# Altium PCB PCB_usbHUB.PcbDoc
Units mm, origin at the board's own origin, x right, y up, seen from the top; angles counter-clockwise.
Board outline 61.12 x 81.58 mm, 4 copper layers (Top Layer, Int1 (GND), Int2 (PWR), Bottom Layer), stack 1.586 mm thick; 86 components, 65 nets, 296 pads, 594 vias.
Unrouted connection lines stored in the file: 1.
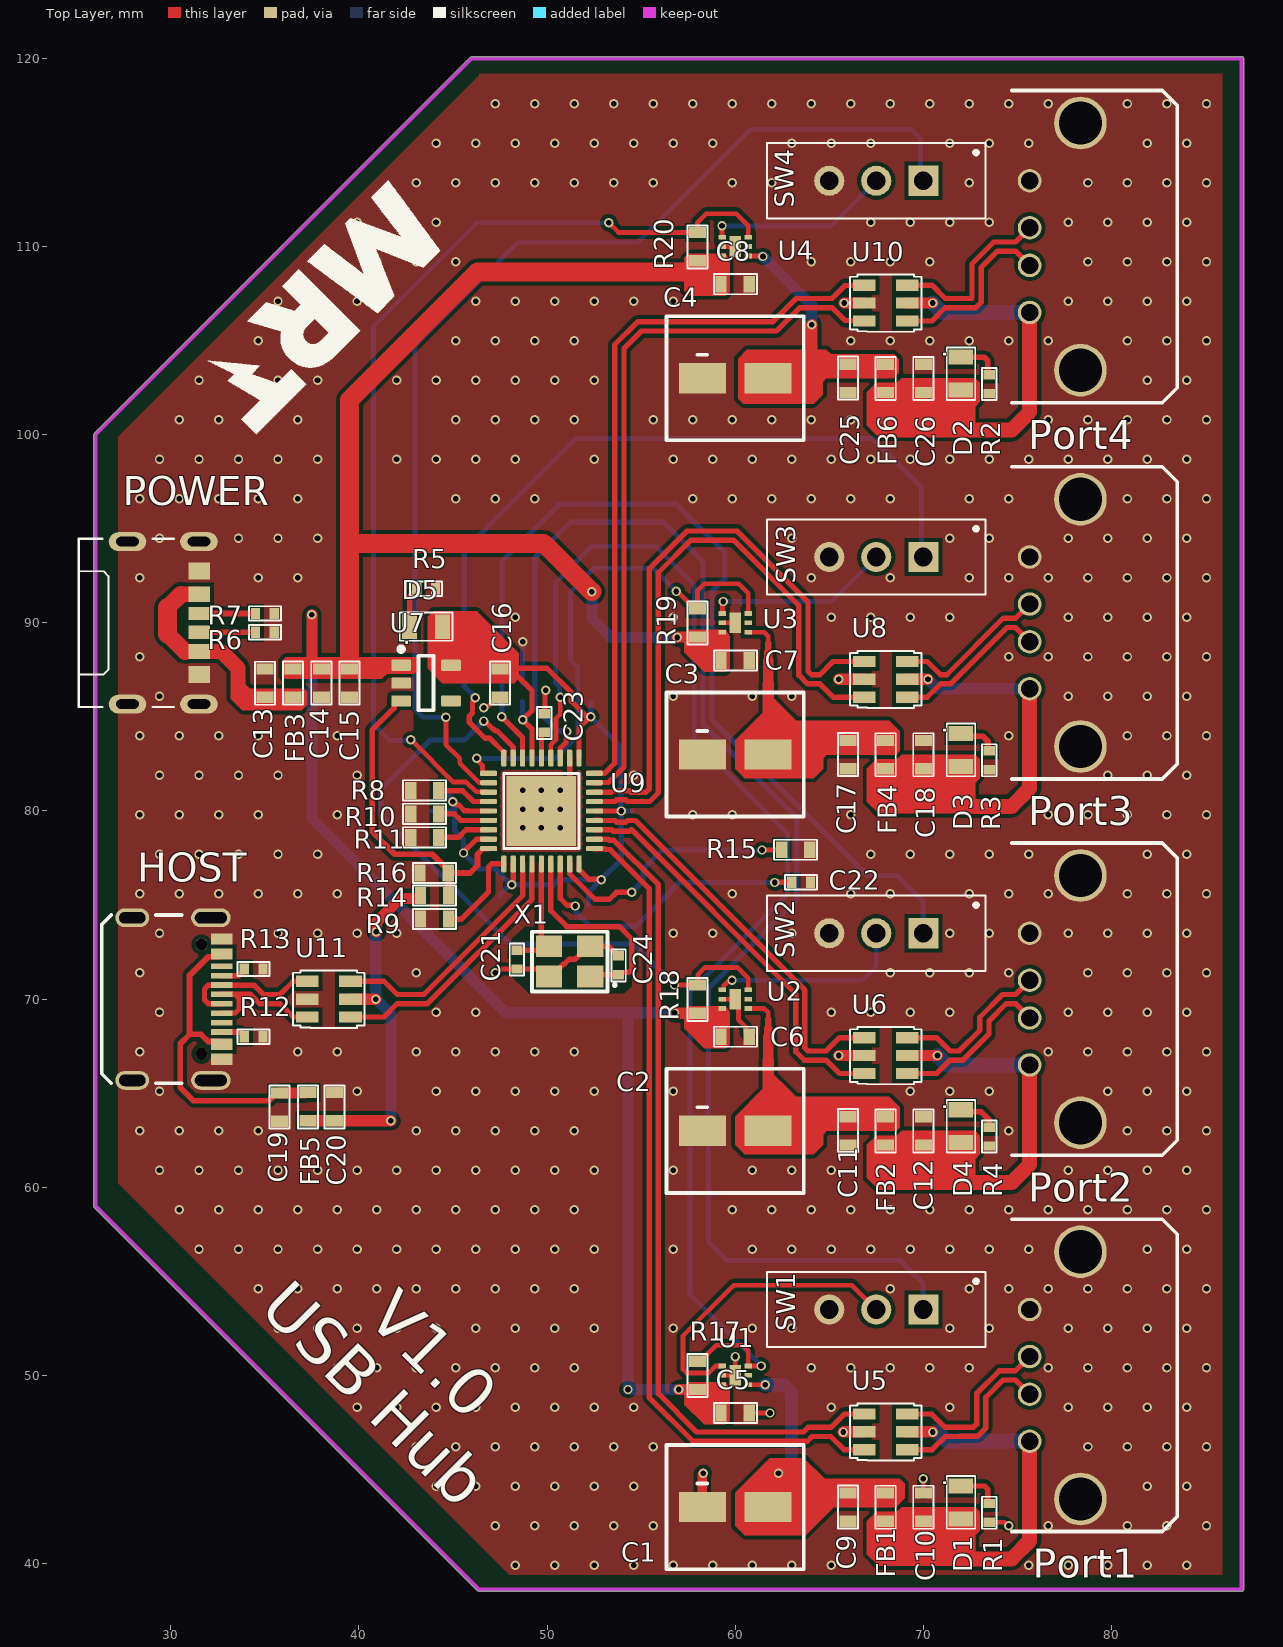
[diagram p0: Top Layer view]
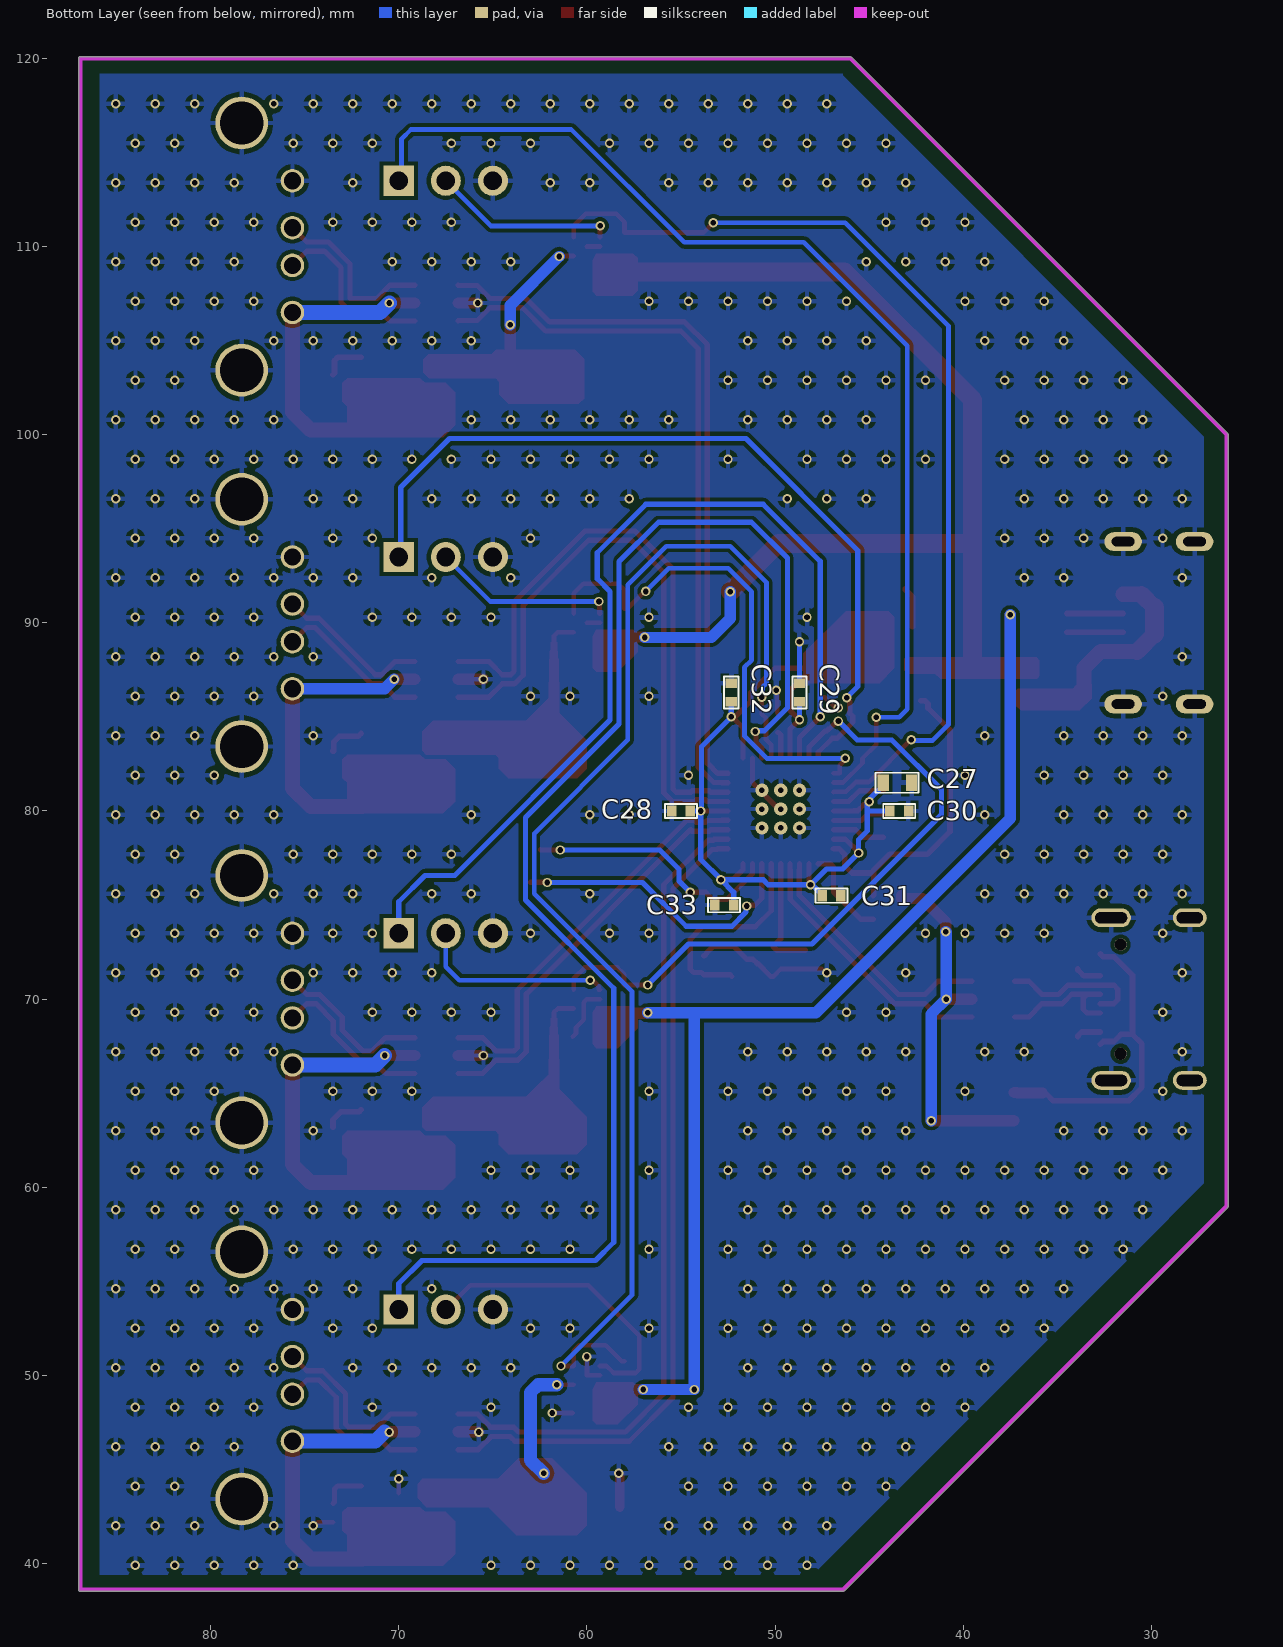
[diagram p1: Bottom Layer view, seen from below]
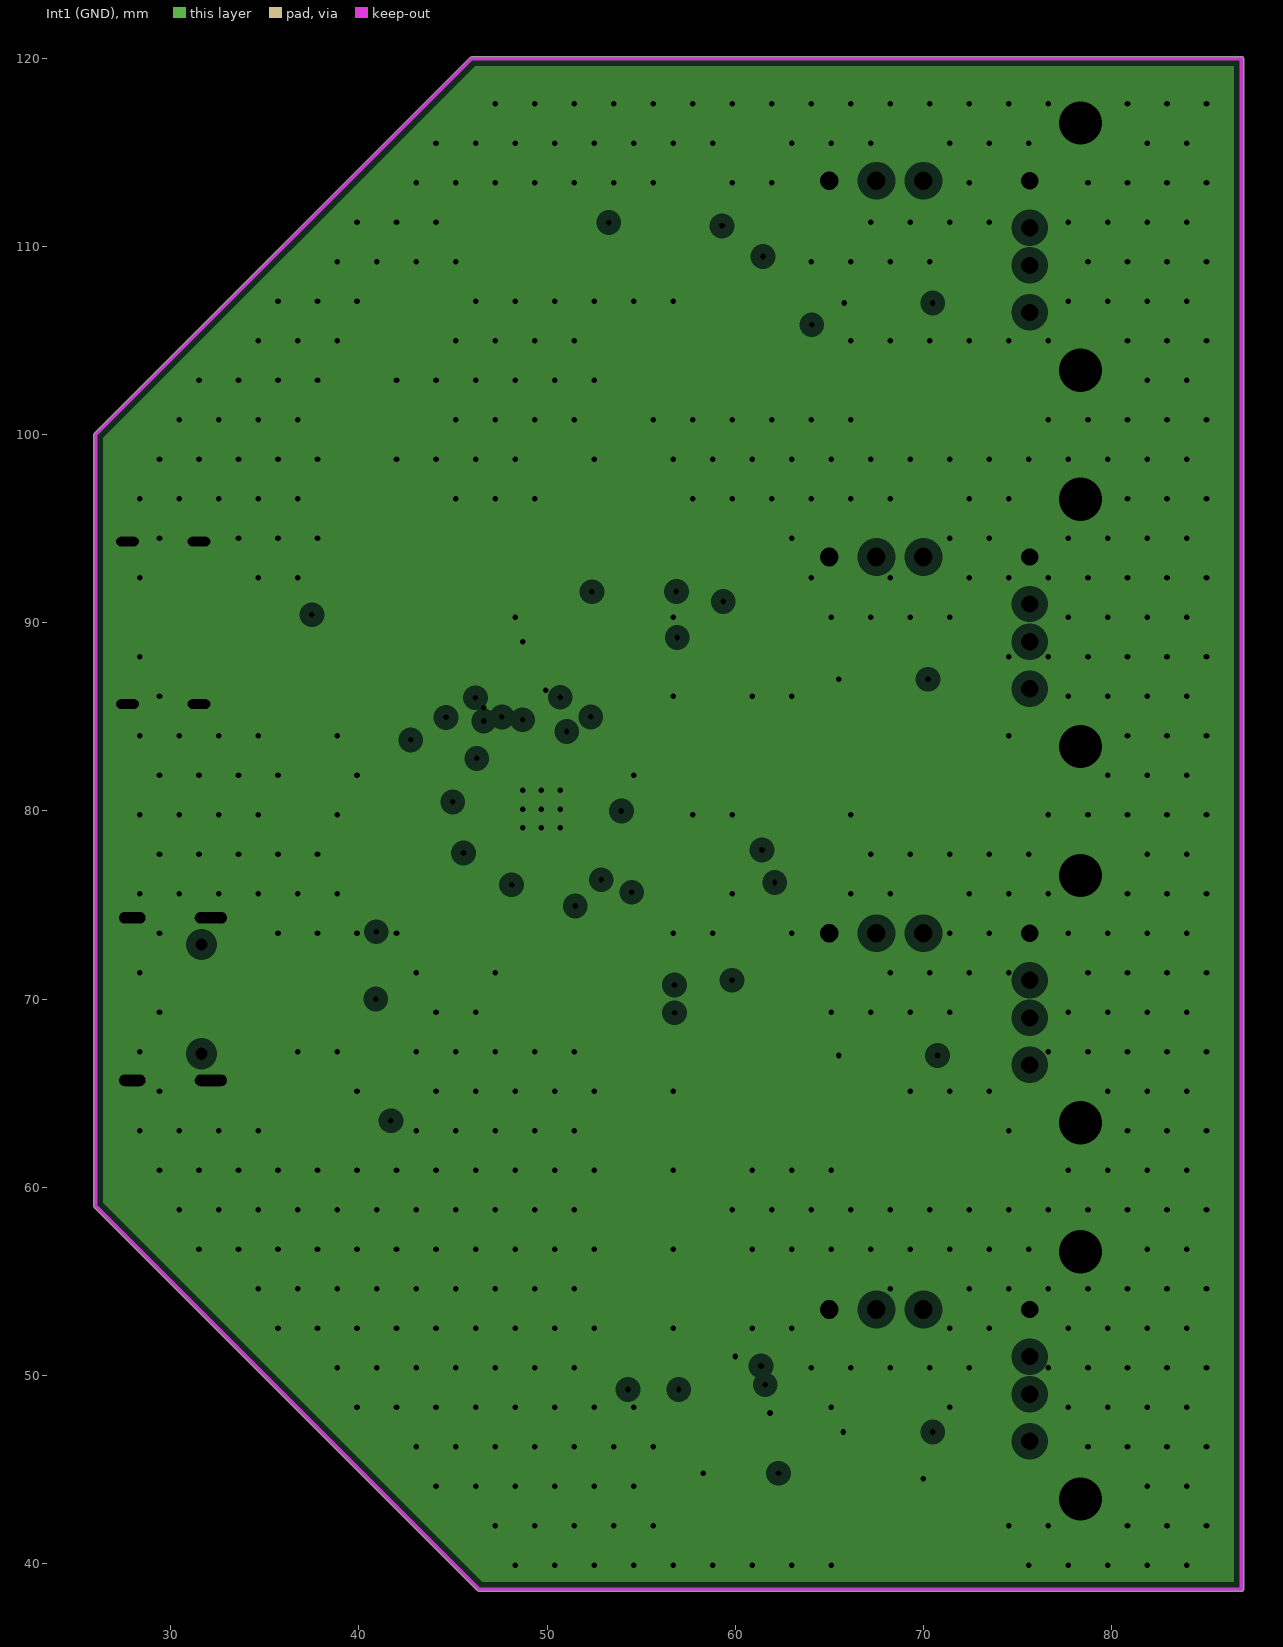
[diagram p2: Int1 (GND), clearances drawn from the general rule]
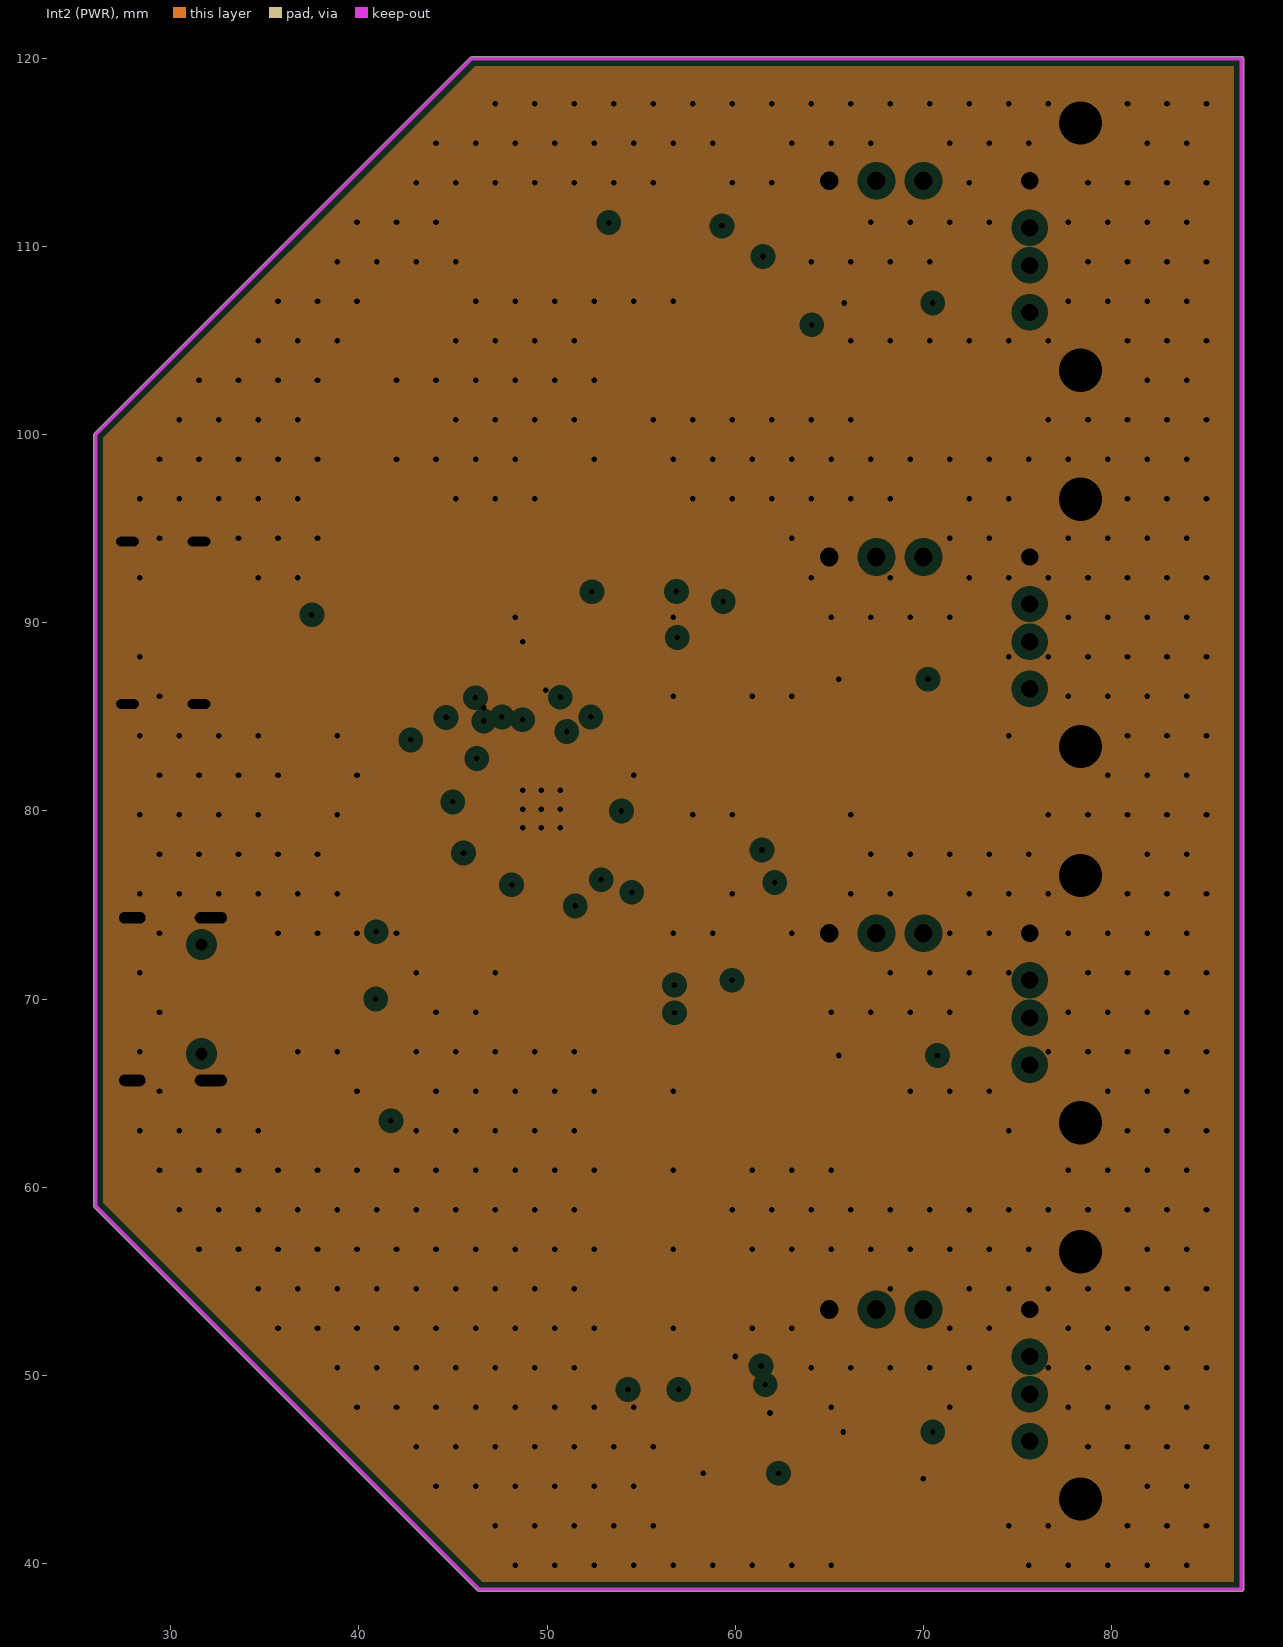
[diagram p3: Int2 (PWR), clearances drawn from the general rule]
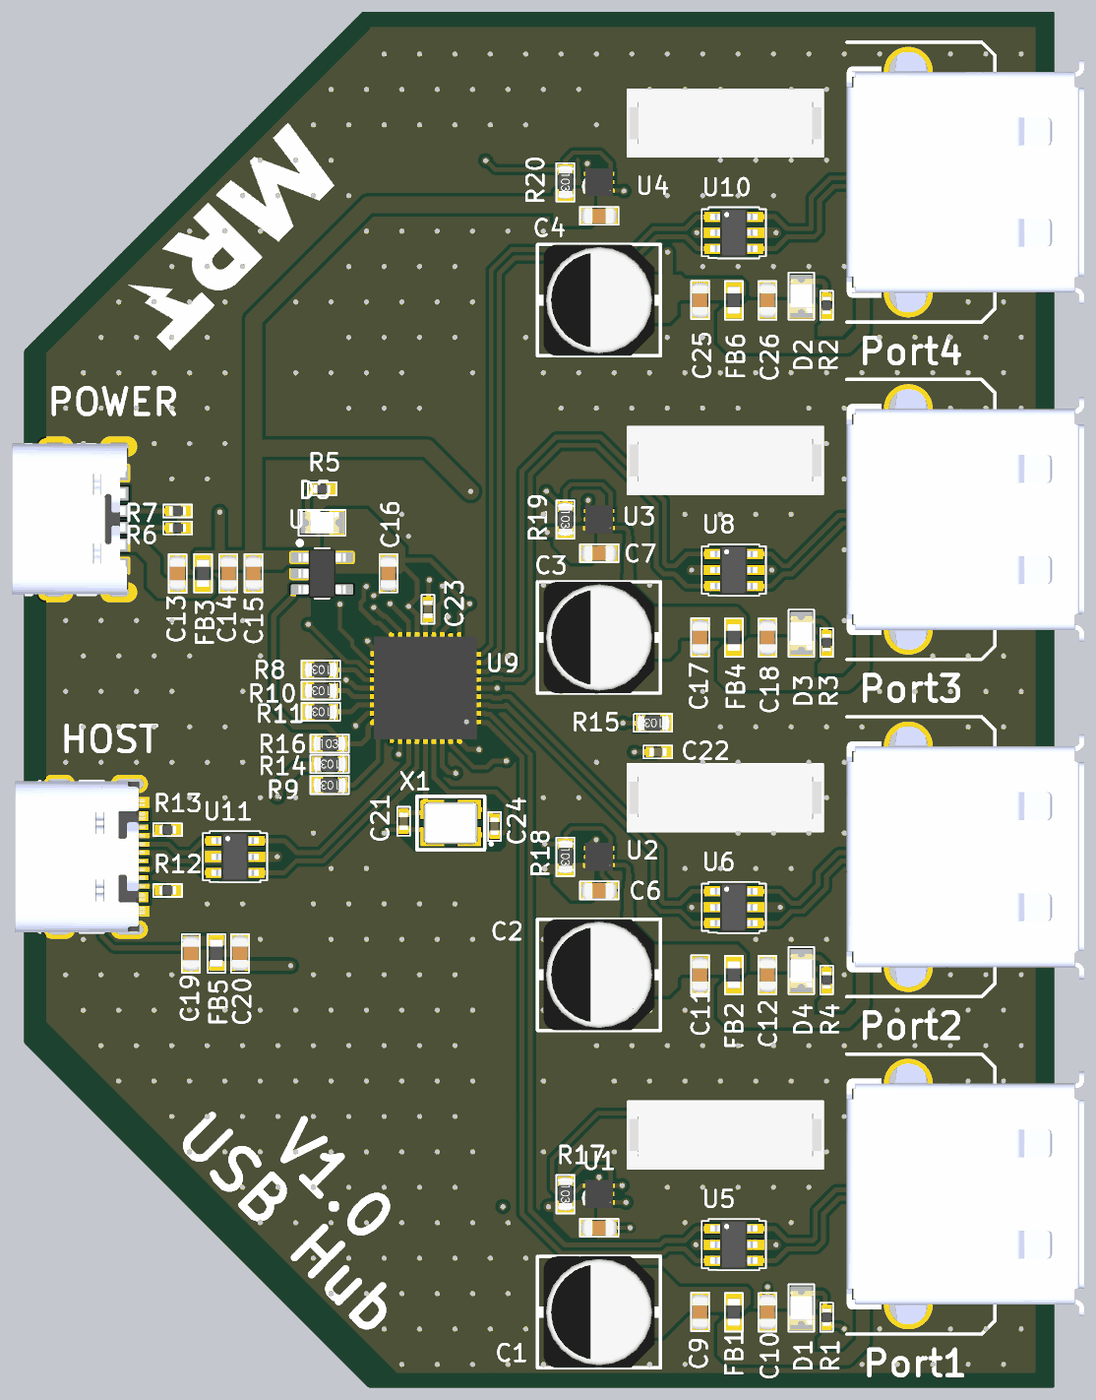
[diagram p4: 3D render of the assembled board from above, using the file's embedded part models]
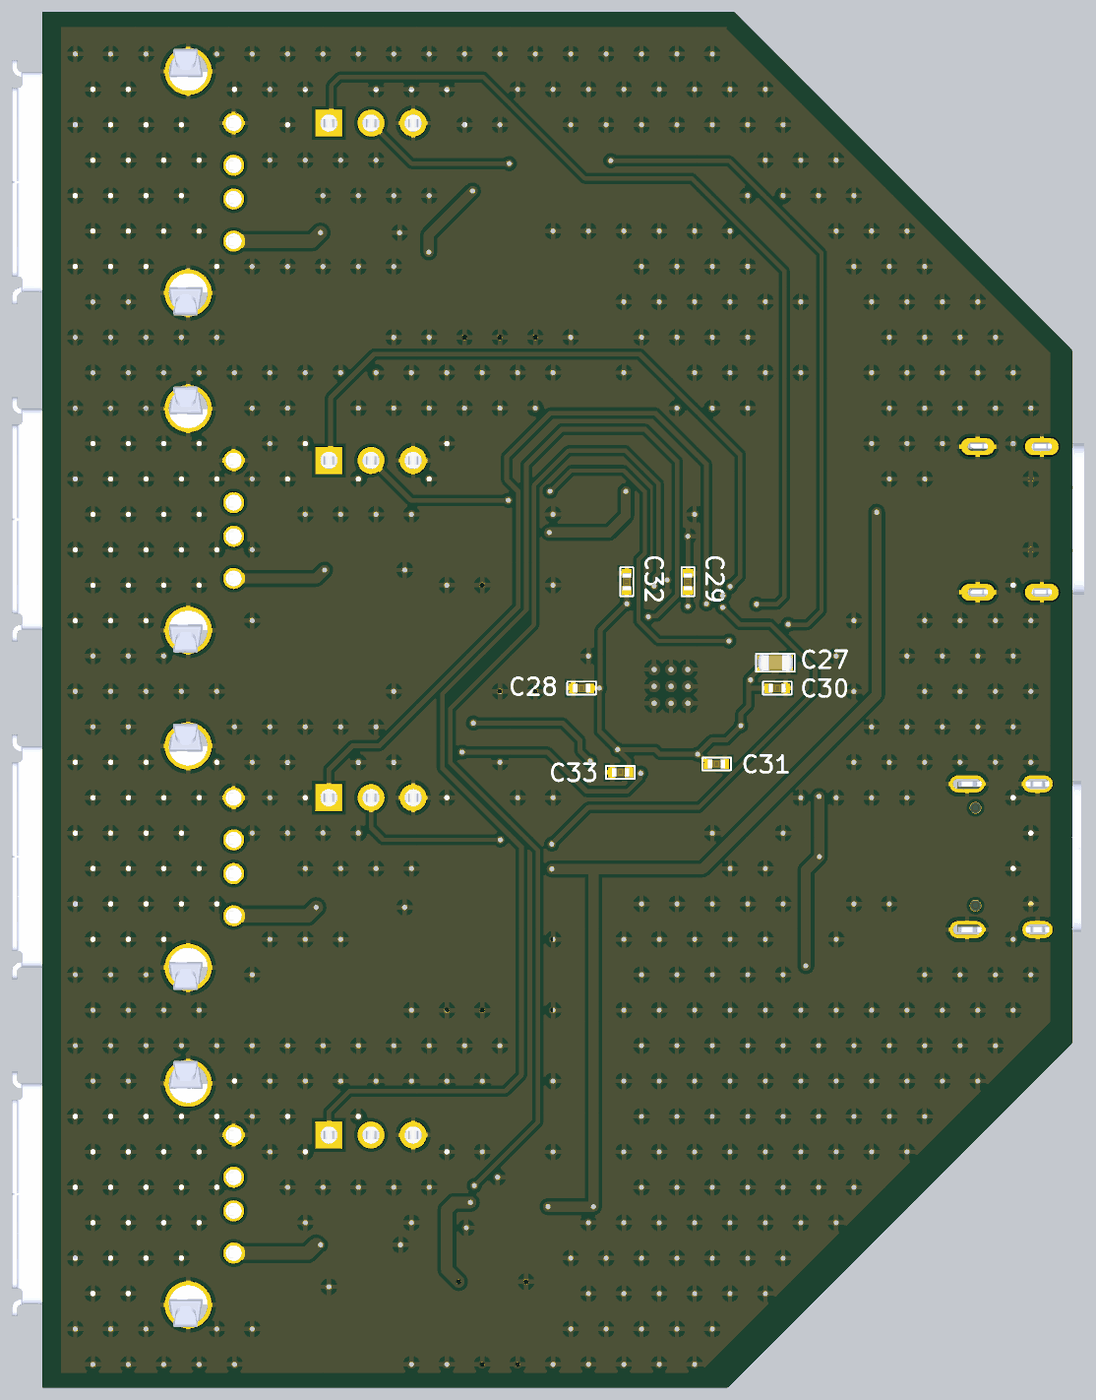
[diagram p5: 3D render of the assembled board from below, using the file's embedded part models]

## Layer stack, top to bottom
Top Solder: solder mask 0.0254, SM-001, Dk 4
Top Layer: signal copper 0.035
Dielectric 1: prepreg 0.2104, PP-017, Dk 4.4
Int1 (GND): plane copper 0.0152, net GND
Dielectric 3: core 1.065, Core-039, Dk 4.6
Int2 (PWR): plane copper 0.0152, net GND
Dielectric 5: prepreg 0.2104, PP-017, Dk 4.4
Bottom Layer: signal copper 0.035
Bottom Solder: solder mask 0.0254, SM-001, Dk 4

## Board outline
46.313,38.545 25.929,58.929 25.9,59 25.9,100 25.929,100.071 45.929,120.071 46,120.1 85.37,120.1 86.92,120.1 cw(c86.92,120) 87.02,120 87.02,119.998 87.02,38.616 cw(c86.92,38.616) 86.92,38.515 48.001,38.515 46.4,38.515 46.384,38.515

## Design rules (kind name [scope] priority, off if disabled: settings)
Clearance [All] p1: gap=0.2 ignorepadtopadclearanceinfootprint=TRUE
DiffPairsRouting [All] p1: maxlimit=0.205 minlimit=0.205 mostfreqgap=0.205 toplayer_minwidth=0.282 toplayer_maxwidth=0.282 toplayer_prefwidth=0.282 bottomlayer_minwidth=0.282 bottomlayer_maxwidth=0.282 bottomlayer_prefwidth=0.282 impedanceprofiledriven=TRUE impedanceprofileid={D62BAFC8-9ECE-4AD9-BEA0-C7D97AC1F14C} impedanceprofilevalue=90.000000 maxuncoupledlength=12.7
PlaneClearance [All] p1: clearance=0.508
PlaneConnect [All] p1: planeconnectstyle=Relief reliefexpansion=0.508 reliefentries=4 reliefconductorwidth=0.254 reliefairgap=0.254
PolygonConnect [All] p1: connectstyle=Direct reliefconductorwidth=0.254 reliefentries=4 polygonreliefangle="90 Angle" airgapwidth=0.254
RoutingVias [All] p1: holewidth=0.25 width=0.3 viastyle="Through Hole" minholewidth=0.15 minwidth=0.25 maxholewidth=1 maxwidth=2
ShortCircuit [All] p1: allowed=TRUE
SolderMaskExpansion [All] p1: expansion=0.102 istentingtop=FALSE
SupplyNets "Schematic Supply Nets_1" [InNet('GND')] p1: voltage=0.000
SupplyNets "Schematic Supply Nets" [InNet('+3V3')] p2: voltage=0.000
SupplyNets "Schematic Supply Nets_13" [InNet('+5V_PORT1')] p3: voltage=0.000
SupplyNets "Schematic Supply Nets_12" [InNet('+5V_PORT2_FILT')] p4: voltage=0.000
SupplyNets "Schematic Supply Nets_11" [InNet('+5V_PORT3_FILT')] p5: voltage=0.000
SupplyNets "Schematic Supply Nets_10" [InNet('+5V_PORT2')] p6: voltage=0.000
SupplyNets "Schematic Supply Nets_9" [InNet('+5V_PORT4')] p7: voltage=0.000
SupplyNets "Schematic Supply Nets_8" [InNet('+5V')] p8: voltage=0.000
SupplyNets "Schematic Supply Nets_7" [InNet('+5V_HOST')] p9: voltage=0.000
SupplyNets "Schematic Supply Nets_6" [InNet('+5V_HOST_FILT')] p10: voltage=0.000
SupplyNets "Schematic Supply Nets_5" [InNet('+5V_PORT3')] p11: voltage=0.000
SupplyNets "Schematic Supply Nets_4" [InNet('+5V_PORT1_FILT')] p12: voltage=0.000
SupplyNets "Schematic Supply Nets_3" [InNet('+5V_FILT')] p13: voltage=0.000
SupplyNets "Schematic Supply Nets_2" [InNet('+5V_PORT4_FILT')] p14: voltage=0.000
UnRoutedNet [All] p1: checkbadconnections=TRUE
Width [All] p1: maxlimit=1 minlimit=0.2 preferedwidth=0.3 minimp=50.000000 maximp=50.000000 favimp=50.000000
25 further rules are at their usual default settings.

## Classes and differential pairs
differential pair USB4: +USB4_P -USB4_N
differential pair USB3: +USB3_P -USB3_N
differential pair USB2: +USB2_P -USB2_N
differential pair USB1: +USB1_P -USB1_N
differential pair PORT4: +PORT4_P -PORT4_N
differential pair PORT3: +PORT3_P -PORT3_N
differential pair PORT2: +PORT2_P -PORT2_N
differential pair PORT1: +PORT1_P -PORT1_N
differential pair HOUT: +HOUT_P -HOUT_N
differential pair HOST: +HOST_P -HOST_N

## Components (designator, comment, footprint, x,y, rotation, side; value= is the part's Value field where it differs from the comment)
C1 "120u" "6.30mm Radial, Can - SMD" 60,43 r0 top
C2 "120u" "6.30mm Radial, Can - SMD" 60,63 r0 top
C3 "120u" "6.30mm Radial, Can - SMD" 60,83 r0 top
C4 "120u" "6.30mm Radial, Can - SMD" 60,103 r0 top
C5 "2u2" "0603 CAP" 60,48 r0 top
C6 "2u2" "0603 CAP" 60,68 r0 top
C7 "2u2" "0603 CAP" 60,88 r0 top
C8 "2u2" "0603 CAP" 60,108 r0 top
C9 "2u2" "0603 CAP" 66,43 r90 top
C10 "2u2" "0603 CAP" 70,43 r270 top
C11 "2u2" "0603 CAP" 66,63 r90 top
C12 "2u2" "0603 CAP" 70,63 r270 top
C13 "2u2" "0603 CAP" 35,86.8 r270 top
C14 "2u2" "0603 CAP" 38,86.8 r90 top
C15 "1u" "0603 CAP" 39.5,86.8 r90 top value=1uF
C16 "1u" "0603 CAP" 47.5,86.8 r90 top value=1uF
C17 "2u2" "0603 CAP" 66,83 r90 top
C18 "2u2" "0603 CAP" 70,83 r270 top
C19 "2u2" "0603 CAP" 35.778,64.26 r90 top
C20 "2u2" "0603 CAP" 38.7,64.284 r270 top
C21 "10pF" "0402 CAP" 48.4,72.1 r270 top
C22 "100n" "0402 CAP" 63.503,76.208 r0 top value=100nF
C23 "100n" "0402 CAP" 49.85,84.675 r90 top value=100nF
C24 "10pF" "0402 CAP" 53.8,71.8 r90 top
C25 "2u2" "0603 CAP" 66,103 r90 top
C26 "2u2" "0603 CAP" 70,103 r270 top
C27 "2u2" "0603 CAP" 43.5,81.5 r0 bottom
C28 "100n" "0402 CAP" 55,80 r180 bottom value=100nF
C29 "100n" "0402 CAP" 48.7,86.3 r270 bottom value=100nF
C30 "100n" "0402 CAP" 43.4,80 r0 bottom value=100nF
C31 "100n" "0402 CAP" 47,75.5 r0 bottom value=100nF
C32 "100n" "0402 CAP" 52.325,86.3 r270 bottom value=100nF
C33 "100n" "0402 CAP" 52.7,75 r180 bottom value=100nF
D1 "LED GREEN 0805" "LED 0805" 72,43.245 r270 top
D2 "LED GREEN 0805" "LED 0805" 72,103.245 r270 top
D3 "LED GREEN 0805" "LED 0805" 72,83.245 r270 top
D4 "LED GREEN 0805" "LED 0805" 72,63.245 r270 top
D5 "LED RED 0805" "LED 0805" 43.568,89.8 r0 top
FB1 "120R" "0603 FB" 68,43 r270 top
FB2 "120R" "0603 FB" 68,63 r270 top
FB3 "120R" "0603 FB" 36.5,86.8 r90 top
FB4 "120R" "0603 FB" 68,83 r270 top
FB5 "120R" "0603 FB" 37.3,64.284 r270 top
FB6 "120R" "0603 FB" 68,103 r270 top
HOST "USB4105-GF-A-060" "USB TYPE C GCT 16P" 30.329,70 r270 top (schematic designator J1)
Port1 "USB-A1HSW6" USB-A1HSW6 77,50 r90 top (schematic designator USB1)
Port2 "USB-A1HSW6" USB-A1HSW6 77,70 r90 top (schematic designator USB2)
Port3 "USB-A1HSW6" USB-A1HSW6 77,90 r90 top (schematic designator USB4)
Port4 "USB-A1HSW6" USB-A1HSW6 77,110 r90 top (schematic designator USB5)
POWER "Type C 6pin" "TYPE-C 6P(073)" 29.6,90 r270 top (schematic designator USB3)
R1 "330R" "0402 RES" 73.5,42.691 r270 top
R2 "330R" "0402 RES" 73.5,102.691 r270 top
R3 "330R" "0402 RES" 73.5,82.691 r270 top
R4 "330R" "0402 RES" 73.5,62.691 r270 top
R5 "330R" "0402 RES" 43.568,91.81 r180 top
R6 "5k1" "0402 RES" 35,89.5 r180 top
R7 "5k1" "0402 RES" 35,90.5 r180 top
R8 "100k" "0603 RES" 43.5,81.1 r180 top
R9 "100k" "0603 RES" 44.024,74.25 r180 top
R10 "100k" "0603 RES" 43.5,79.85 r180 top
R11 "100k" "0603 RES" 43.5,78.6 r180 top
R12 "5k1" "0402 RES" 34.4,68 r180 top
R13 "5k1" "0402 RES" 34.4,71.6 r180 top
R14 "100k" "0603 RES" 44.024,75.5 r180 top
R15 "12k" "0603 RES" 63.218,77.94 r180 top
R16 "100k" "0603 RES" 44,76.7 r0 top
R17 "12k" "0603 RES" 58,50 r270 top
R18 "12k" "0603 RES" 58,70 r270 top
R19 "12k" "0603 RES" 58,90 r270 top
R20 "12k" "0603 RES" 58,110 r270 top
SW1 "slide switch" EG1218 67.5,53.5 r180 top
SW2 "slide switch" EG1218 67.5,73.5 r180 top
SW3 "slide switch" EG1218 67.5,93.5 r180 top
SW4 "slide switch" EG1218 67.5,113.5 r180 top
U1 "MIC2095-2YMT-TR" "6-UFDFN Exposed Pad" 60,50 r180 top
U2 "MIC2095-2YMT-TR" "6-UFDFN Exposed Pad" 60,70 r180 top
U3 "MIC2095-2YMT-TR" "6-UFDFN Exposed Pad" 60,90 r180 top
U4 "MIC2095-2YMT-TR" "6-UFDFN Exposed Pad" 60,110 r180 top
U5 "USBLC6-2SC6" SOT23-6 68,47 r270 top
U6 "USBLC6-2SC6" SOT23-6 68,67 r270 top
U7 "AP2112K-3.3TRG1" SOT-23-5 43.568,86.8 r0 top
U8 "USBLC6-2SC6" SOT23-6 68,87 r270 top
U9 "USB2514B/M2" "36-PIN SQFN" 49.7,80 r180 top
U10 "USBLC6-2SC6" SOT23-6 68,107 r270 top
U11 "USBLC6-2SC6" SOT23-6 38.4,70 r270 top
X1 "TSX-3225 24.0000MF15X" 3225 51.2,72 r180 top
